# KiCad board EOutside.kicad_pcb (continued)
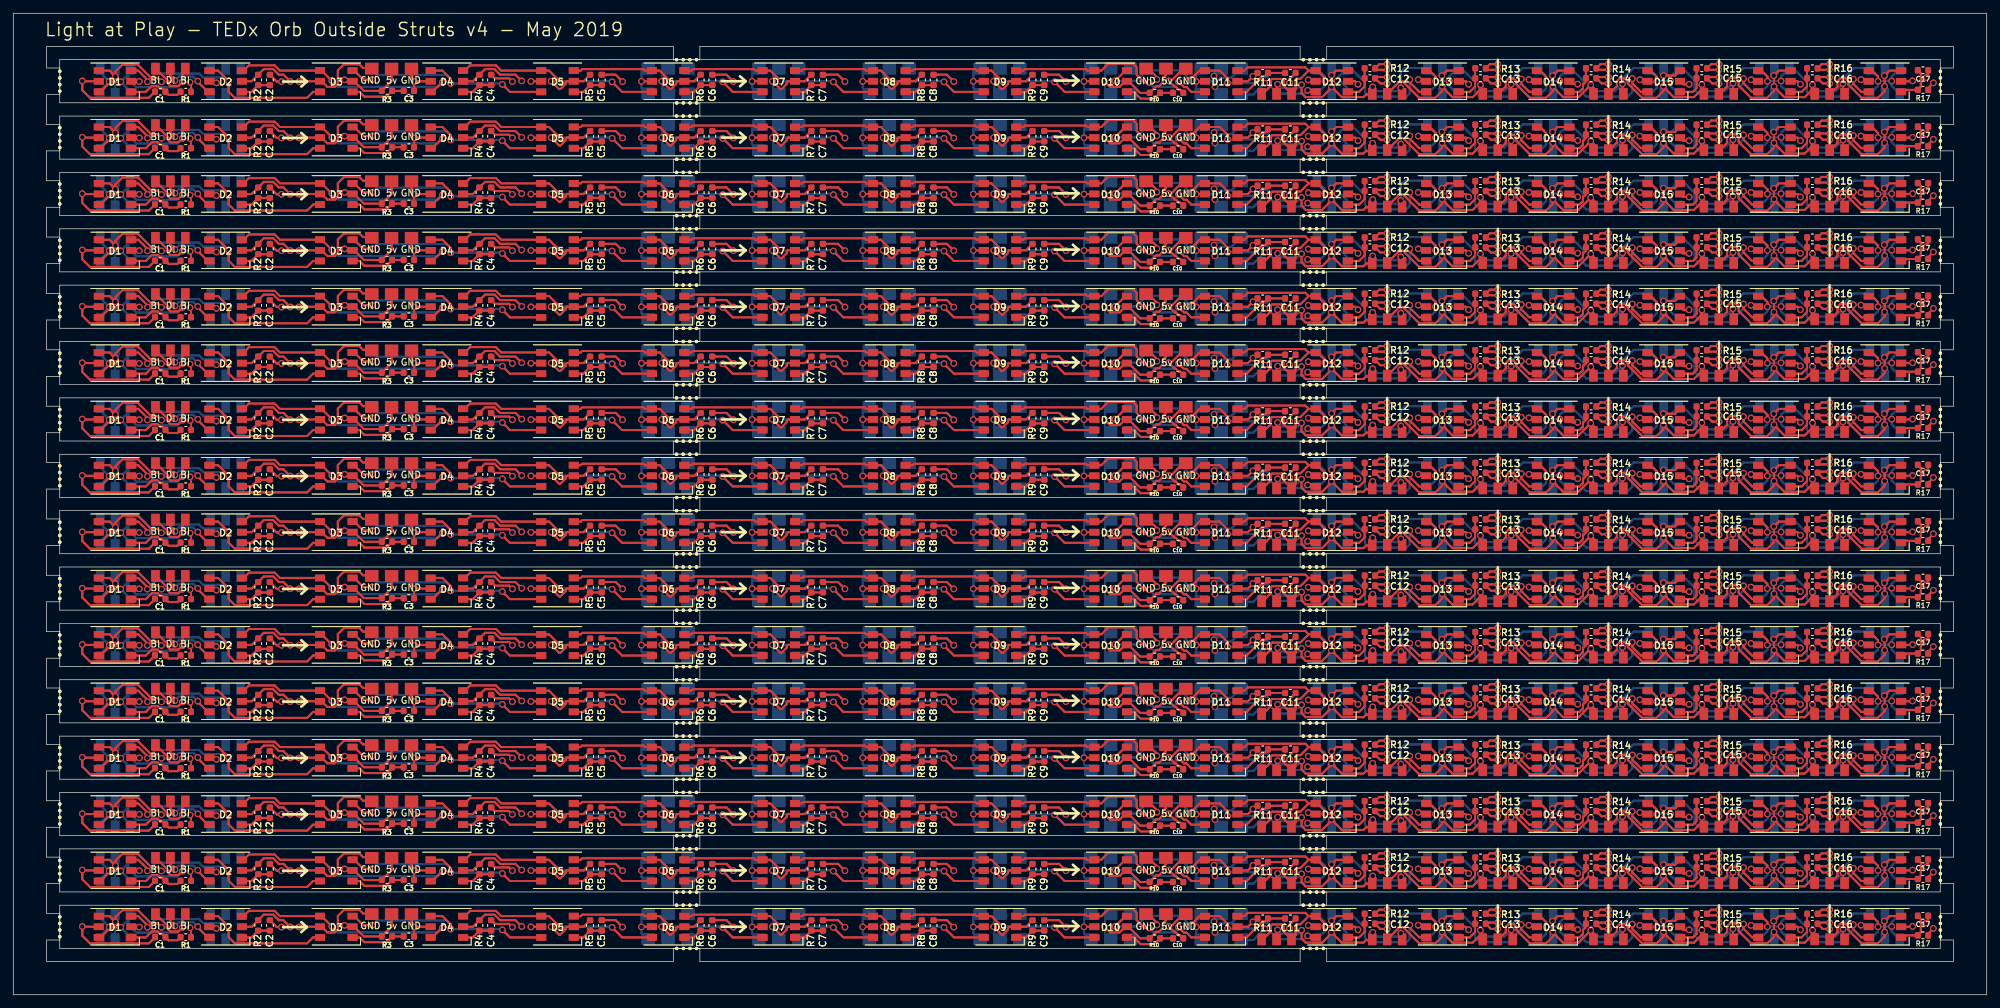
[diagram p0: board, top side]
## Placement (name value [footprint] x y rotation side) (continued)
J6#119  PWR_BRIDGE  [TEDX_PWR_BRIDGE]  132 117.5 0 bottom
J6#120  PWR_BRIDGE  [TEDX_PWR_BRIDGE]  132 124 180 bottom
J6#121  PWR_BRIDGE  [TEDX_PWR_BRIDGE]  98.67 117.55 0 bottom
J6#122  PWR_BRIDGE  [TEDX_PWR_BRIDGE]  182 117.5 0 bottom
J6#123  PWR_BRIDGE  [TEDX_PWR_BRIDGE]  182 124 180 bottom
J6#124  PWR_BRIDGE  [TEDX_PWR_BRIDGE]  165.33 124 180 bottom
J6#125  PWR_BRIDGE  [TEDX_PWR_BRIDGE]  182 115.5 180 bottom
J6#126  PWR_BRIDGE  [TEDX_PWR_BRIDGE]  165.33 115.5 180 bottom
J6#127  PWR_BRIDGE  [TEDX_PWR_BRIDGE]  98.67 115.5 180 bottom
J6#128  PWR_BRIDGE  [TEDX_PWR_BRIDGE]  182 109 0 bottom
J6#129  PWR_BRIDGE  [TEDX_PWR_BRIDGE]  115.33 109 0 bottom
J6#130  PWR_BRIDGE  [TEDX_PWR_BRIDGE]  115.33 115.5 180 bottom
J6#131  PWR_BRIDGE  [TEDX_PWR_BRIDGE]  98.67 141 180 bottom
J6#132  PWR_BRIDGE  [TEDX_PWR_BRIDGE]  115.33 134.5 0 bottom
J6#133  PWR_BRIDGE  [TEDX_PWR_BRIDGE]  115.33 141 180 bottom
J6#134  PWR_BRIDGE  [TEDX_PWR_BRIDGE]  165.33 134.5 0 bottom
J6#135  PWR_BRIDGE  [TEDX_PWR_BRIDGE]  148.67 141 180 bottom
J6#136  PWR_BRIDGE  [TEDX_PWR_BRIDGE]  148.67 134.5 0 bottom
J6#137  PWR_BRIDGE  [TEDX_PWR_BRIDGE]  132 134.5 0 bottom
J6#138  PWR_BRIDGE  [TEDX_PWR_BRIDGE]  132 141 180 bottom
J6#139  PWR_BRIDGE  [TEDX_PWR_BRIDGE]  98.67 134.55 0 bottom
J6#140  PWR_BRIDGE  [TEDX_PWR_BRIDGE]  182 134.5 0 bottom
J6#141  PWR_BRIDGE  [TEDX_PWR_BRIDGE]  182 141 180 bottom
J6#142  PWR_BRIDGE  [TEDX_PWR_BRIDGE]  165.33 141 180 bottom
J6#143  PWR_BRIDGE  [TEDX_PWR_BRIDGE]  182 132.5 180 bottom
J6#144  PWR_BRIDGE  [TEDX_PWR_BRIDGE]  165.33 132.5 180 bottom
J6#145  PWR_BRIDGE  [TEDX_PWR_BRIDGE]  98.67 132.5 180 bottom
J6#146  PWR_BRIDGE  [TEDX_PWR_BRIDGE]  182 126 0 bottom
J6#147  PWR_BRIDGE  [TEDX_PWR_BRIDGE]  115.33 126 0 bottom
J6#148  PWR_BRIDGE  [TEDX_PWR_BRIDGE]  115.33 132.5 180 bottom
J6#149  PWR_BRIDGE  [TEDX_PWR_BRIDGE]  165.33 126 0 bottom
J6#150  PWR_BRIDGE  [TEDX_PWR_BRIDGE]  148.67 132.5 180 bottom
J6#151  PWR_BRIDGE  [TEDX_PWR_BRIDGE]  148.67 126 0 bottom
J6#152  PWR_BRIDGE  [TEDX_PWR_BRIDGE]  132 126 0 bottom
J6#153  PWR_BRIDGE  [TEDX_PWR_BRIDGE]  132 132.5 180 bottom
J6#154  PWR_BRIDGE  [TEDX_PWR_BRIDGE]  98.67 126.05 0 bottom
J6#155  PWR_BRIDGE  [TEDX_PWR_BRIDGE]  98.67 109.05 0 bottom
J6#156  PWR_BRIDGE  [TEDX_PWR_BRIDGE]  165.33 109 0 bottom
J6#157  PWR_BRIDGE  [TEDX_PWR_BRIDGE]  148.67 115.5 180 bottom
J6#158  PWR_BRIDGE  [TEDX_PWR_BRIDGE]  148.67 109 0 bottom
J6#159  PWR_BRIDGE  [TEDX_PWR_BRIDGE]  132 109 0 bottom
J6#160  PWR_BRIDGE  [TEDX_PWR_BRIDGE]  132 115.5 180 bottom
J6#161  PWR_BRIDGE  [TEDX_PWR_BRIDGE]  98.67 90 180 bottom
J6#162  PWR_BRIDGE  [TEDX_PWR_BRIDGE]  115.33 83.5 0 bottom
J6#163  PWR_BRIDGE  [TEDX_PWR_BRIDGE]  115.33 90 180 bottom
J6#164  PWR_BRIDGE  [TEDX_PWR_BRIDGE]  165.33 83.5 0 bottom
J6#165  PWR_BRIDGE  [TEDX_PWR_BRIDGE]  148.67 90 180 bottom
J6#166  PWR_BRIDGE  [TEDX_PWR_BRIDGE]  148.67 83.5 0 bottom
J6#167  PWR_BRIDGE  [TEDX_PWR_BRIDGE]  132 83.5 0 bottom
J6#168  PWR_BRIDGE  [TEDX_PWR_BRIDGE]  132 90 180 bottom
J6#169  PWR_BRIDGE  [TEDX_PWR_BRIDGE]  98.67 83.55 0 bottom
J6#170  PWR_BRIDGE  [TEDX_PWR_BRIDGE]  182 83.5 0 bottom
J6#171  PWR_BRIDGE  [TEDX_PWR_BRIDGE]  182 90 180 bottom
J6#172  PWR_BRIDGE  [TEDX_PWR_BRIDGE]  165.33 90 180 bottom
J6#173  PWR_BRIDGE  [TEDX_PWR_BRIDGE]  182 81.5 180 bottom
J6#174  PWR_BRIDGE  [TEDX_PWR_BRIDGE]  165.33 81.5 180 bottom
J6#175  PWR_BRIDGE  [TEDX_PWR_BRIDGE]  98.67 81.5 180 bottom
J6#176  PWR_BRIDGE  [TEDX_PWR_BRIDGE]  182 75 0 bottom
J6#177  PWR_BRIDGE  [TEDX_PWR_BRIDGE]  115.33 75 0 bottom
J6#178  PWR_BRIDGE  [TEDX_PWR_BRIDGE]  115.33 81.5 180 bottom
J6#179  PWR_BRIDGE  [TEDX_PWR_BRIDGE]  98.67 107 180 bottom
J6#180  PWR_BRIDGE  [TEDX_PWR_BRIDGE]  115.33 100.5 0 bottom
J6#181  PWR_BRIDGE  [TEDX_PWR_BRIDGE]  115.33 107 180 bottom
J6#182  PWR_BRIDGE  [TEDX_PWR_BRIDGE]  165.33 100.5 0 bottom
J6#183  PWR_BRIDGE  [TEDX_PWR_BRIDGE]  148.67 107 180 bottom
J6#184  PWR_BRIDGE  [TEDX_PWR_BRIDGE]  148.67 100.5 0 bottom
J6#185  PWR_BRIDGE  [TEDX_PWR_BRIDGE]  132 100.5 0 bottom
J6#186  PWR_BRIDGE  [TEDX_PWR_BRIDGE]  132 107 180 bottom
J6#187  PWR_BRIDGE  [TEDX_PWR_BRIDGE]  98.67 100.55 0 bottom
J6#188  PWR_BRIDGE  [TEDX_PWR_BRIDGE]  182 100.5 0 bottom
J6#189  PWR_BRIDGE  [TEDX_PWR_BRIDGE]  182 107 180 bottom
J6#190  PWR_BRIDGE  [TEDX_PWR_BRIDGE]  165.33 107 180 bottom
J6#191  PWR_BRIDGE  [TEDX_PWR_BRIDGE]  182 81.5 180 bottom
J6#192  PWR_BRIDGE  [TEDX_PWR_BRIDGE]  165.33 81.5 180 bottom
J6#193  PWR_BRIDGE  [TEDX_PWR_BRIDGE]  98.67 81.5 180 bottom
J6#194  PWR_BRIDGE  [TEDX_PWR_BRIDGE]  98.67 107 180 bottom
J6#195  PWR_BRIDGE  [TEDX_PWR_BRIDGE]  115.33 100.5 0 bottom
J6#196  PWR_BRIDGE  [TEDX_PWR_BRIDGE]  115.33 107 180 bottom
J6#197  PWR_BRIDGE  [TEDX_PWR_BRIDGE]  98.67 90 180 bottom
J6#198  PWR_BRIDGE  [TEDX_PWR_BRIDGE]  182 98.5 180 bottom
J6#199  PWR_BRIDGE  [TEDX_PWR_BRIDGE]  165.33 98.5 180 bottom
J6#200  PWR_BRIDGE  [TEDX_PWR_BRIDGE]  98.67 98.5 180 bottom
J6#201  PWR_BRIDGE  [TEDX_PWR_BRIDGE]  182 92 0 bottom
J6#202  PWR_BRIDGE  [TEDX_PWR_BRIDGE]  115.33 92 0 bottom
J6#203  PWR_BRIDGE  [TEDX_PWR_BRIDGE]  115.33 98.5 180 bottom
J6#204  PWR_BRIDGE  [TEDX_PWR_BRIDGE]  165.33 92 0 bottom
J6#205  PWR_BRIDGE  [TEDX_PWR_BRIDGE]  148.67 98.5 180 bottom
J6#206  PWR_BRIDGE  [TEDX_PWR_BRIDGE]  148.67 92 0 bottom
J6#207  PWR_BRIDGE  [TEDX_PWR_BRIDGE]  132 92 0 bottom
J6#208  PWR_BRIDGE  [TEDX_PWR_BRIDGE]  132 98.5 180 bottom
J6#209  PWR_BRIDGE  [TEDX_PWR_BRIDGE]  98.67 92.05 0 bottom
J6#210  PWR_BRIDGE  [TEDX_PWR_BRIDGE]  98.67 75.05 0 bottom
J6#211  PWR_BRIDGE  [TEDX_PWR_BRIDGE]  165.33 75 0 bottom
J6#212  PWR_BRIDGE  [TEDX_PWR_BRIDGE]  148.67 81.5 180 bottom
J6#213  PWR_BRIDGE  [TEDX_PWR_BRIDGE]  148.67 75 0 bottom
J6#214  PWR_BRIDGE  [TEDX_PWR_BRIDGE]  132 75 0 bottom
J6#215  PWR_BRIDGE  [TEDX_PWR_BRIDGE]  98.67 75.05 0 bottom
J6#216  PWR_BRIDGE  [TEDX_PWR_BRIDGE]  182 92 0 bottom
J6#217  PWR_BRIDGE  [TEDX_PWR_BRIDGE]  115.33 92 0 bottom
J6#218  PWR_BRIDGE  [TEDX_PWR_BRIDGE]  115.33 98.5 180 bottom
J6#219  PWR_BRIDGE  [TEDX_PWR_BRIDGE]  98.67 98.5 180 bottom
J6#220  PWR_BRIDGE  [TEDX_PWR_BRIDGE]  182 98.5 180 bottom
J6#221  PWR_BRIDGE  [TEDX_PWR_BRIDGE]  165.33 98.5 180 bottom
J6#222  PWR_BRIDGE  [TEDX_PWR_BRIDGE]  165.33 100.5 0 bottom
J6#223  PWR_BRIDGE  [TEDX_PWR_BRIDGE]  148.67 107 180 bottom
J6#224  PWR_BRIDGE  [TEDX_PWR_BRIDGE]  148.67 100.5 0 bottom
J6#225  PWR_BRIDGE  [TEDX_PWR_BRIDGE]  132 100.5 0 bottom
J6#226  PWR_BRIDGE  [TEDX_PWR_BRIDGE]  132 107 180 bottom
J6#227  PWR_BRIDGE  [TEDX_PWR_BRIDGE]  98.67 100.55 0 bottom
J6#228  PWR_BRIDGE  [TEDX_PWR_BRIDGE]  148.67 98.5 180 bottom
J6#229  PWR_BRIDGE  [TEDX_PWR_BRIDGE]  148.67 92 0 bottom
J6#230  PWR_BRIDGE  [TEDX_PWR_BRIDGE]  132 92 0 bottom
J6#231  PWR_BRIDGE  [TEDX_PWR_BRIDGE]  132 98.5 180 bottom
J6#232  PWR_BRIDGE  [TEDX_PWR_BRIDGE]  98.67 92.05 0 bottom
J6#233  PWR_BRIDGE  [TEDX_PWR_BRIDGE]  132 81.5 180 bottom
J6#234  PWR_BRIDGE  [TEDX_PWR_BRIDGE]  182 75 0 bottom
J6#235  PWR_BRIDGE  [TEDX_PWR_BRIDGE]  115.33 75 0 bottom
J6#236  PWR_BRIDGE  [TEDX_PWR_BRIDGE]  115.33 81.5 180 bottom
J6#237  PWR_BRIDGE  [TEDX_PWR_BRIDGE]  165.33 92 0 bottom
J6#238  PWR_BRIDGE  [TEDX_PWR_BRIDGE]  132 81.5 180 bottom
J6#239  PWR_BRIDGE  [TEDX_PWR_BRIDGE]  165.33 75 0 bottom
J6#240  PWR_BRIDGE  [TEDX_PWR_BRIDGE]  148.67 81.5 180 bottom
J6#241  PWR_BRIDGE  [TEDX_PWR_BRIDGE]  148.67 75 0 bottom
J6#242  PWR_BRIDGE  [TEDX_PWR_BRIDGE]  132 75 0 bottom
J6#243  PWR_BRIDGE  [TEDX_PWR_BRIDGE]  182 100.5 0 bottom
J6#244  PWR_BRIDGE  [TEDX_PWR_BRIDGE]  182 107 180 bottom
J6#245  PWR_BRIDGE  [TEDX_PWR_BRIDGE]  165.33 107 180 bottom
J6#246  PWR_BRIDGE  [TEDX_PWR_BRIDGE]  115.33 90 180 bottom
J6#247  PWR_BRIDGE  [TEDX_PWR_BRIDGE]  165.33 83.5 0 bottom
J6#248  PWR_BRIDGE  [TEDX_PWR_BRIDGE]  148.67 90 180 bottom
J6#249  PWR_BRIDGE  [TEDX_PWR_BRIDGE]  148.67 83.5 0 bottom
J6#250  PWR_BRIDGE  [TEDX_PWR_BRIDGE]  132 83.5 0 bottom
J6#251  PWR_BRIDGE  [TEDX_PWR_BRIDGE]  132 90 180 bottom
J6#252  PWR_BRIDGE  [TEDX_PWR_BRIDGE]  98.67 83.55 0 bottom
J6#253  PWR_BRIDGE  [TEDX_PWR_BRIDGE]  182 83.5 0 bottom
J6#254  PWR_BRIDGE  [TEDX_PWR_BRIDGE]  182 90 180 bottom
J6#255  PWR_BRIDGE  [TEDX_PWR_BRIDGE]  165.33 90 180 bottom
J6#256  PWR_BRIDGE  [TEDX_PWR_BRIDGE]  115.33 83.5 0 bottom
J6#257  PWR_BRIDGE  [TEDX_PWR_BRIDGE]  165.33 58 0 bottom
J6#258  PWR_BRIDGE  [TEDX_PWR_BRIDGE]  148.67 64.5 180 bottom
J6#259  PWR_BRIDGE  [TEDX_PWR_BRIDGE]  148.67 58 0 bottom
J6#260  PWR_BRIDGE  [TEDX_PWR_BRIDGE]  132 58 0 bottom
J6#261  PWR_BRIDGE  [TEDX_PWR_BRIDGE]  132 64.5 180 bottom
J6#262  PWR_BRIDGE  [TEDX_PWR_BRIDGE]  98.67 58.05 0 bottom
J6#263  PWR_BRIDGE  [TEDX_PWR_BRIDGE]  98.67 41.05 0 bottom
J6#264  PWR_BRIDGE  [TEDX_PWR_BRIDGE]  182 41 0 bottom
J6#265  PWR_BRIDGE  [TEDX_PWR_BRIDGE]  148.67 56 180 bottom
J6#266  PWR_BRIDGE  [TEDX_PWR_BRIDGE]  182 47.5 180 bottom
J6#267  PWR_BRIDGE  [TEDX_PWR_BRIDGE]  165.33 47.5 180 bottom
J6#268  PWR_BRIDGE  [TEDX_PWR_BRIDGE]  98.67 47.5 180 bottom
J6#269  PWR_BRIDGE  [TEDX_PWR_BRIDGE]  98.67 73 180 bottom
J6#270  PWR_BRIDGE  [TEDX_PWR_BRIDGE]  115.33 66.5 0 bottom
J6#271  PWR_BRIDGE  [TEDX_PWR_BRIDGE]  115.33 73 180 bottom
J6#272  PWR_BRIDGE  [TEDX_PWR_BRIDGE]  98.67 56 180 bottom
J6#273  PWR_BRIDGE  [TEDX_PWR_BRIDGE]  182 64.5 180 bottom
J6#274  PWR_BRIDGE  [TEDX_PWR_BRIDGE]  165.33 64.5 180 bottom
J6#275  PWR_BRIDGE  [TEDX_PWR_BRIDGE]  98.67 64.5 180 bottom
J6#276  PWR_BRIDGE  [TEDX_PWR_BRIDGE]  182 58 0 bottom
J6#277  PWR_BRIDGE  [TEDX_PWR_BRIDGE]  115.33 58 0 bottom
J6#278  PWR_BRIDGE  [TEDX_PWR_BRIDGE]  115.33 64.5 180 bottom
J6#279  PWR_BRIDGE  [TEDX_PWR_BRIDGE]  182 47.5 180 bottom
J6#280  PWR_BRIDGE  [TEDX_PWR_BRIDGE]  115.33 73 180 bottom
J6#281  PWR_BRIDGE  [TEDX_PWR_BRIDGE]  98.67 49.55 0 bottom
J6#282  PWR_BRIDGE  [TEDX_PWR_BRIDGE]  132 56 180 bottom
J6#283  PWR_BRIDGE  [TEDX_PWR_BRIDGE]  98.67 56 180 bottom
J6#284  PWR_BRIDGE  [TEDX_PWR_BRIDGE]  115.33 49.5 0 bottom
J6#285  PWR_BRIDGE  [TEDX_PWR_BRIDGE]  115.33 56 180 bottom
J6#286  PWR_BRIDGE  [TEDX_PWR_BRIDGE]  165.33 41 0 bottom
J6#287  PWR_BRIDGE  [TEDX_PWR_BRIDGE]  148.67 47.5 180 bottom
J6#288  PWR_BRIDGE  [TEDX_PWR_BRIDGE]  148.67 41 0 bottom
J6#289  PWR_BRIDGE  [TEDX_PWR_BRIDGE]  132 41 0 bottom
J6#290  PWR_BRIDGE  [TEDX_PWR_BRIDGE]  98.67 41.05 0 bottom
J6#291  PWR_BRIDGE  [TEDX_PWR_BRIDGE]  148.67 58 0 bottom
J6#292  PWR_BRIDGE  [TEDX_PWR_BRIDGE]  132 58 0 bottom
J6#293  PWR_BRIDGE  [TEDX_PWR_BRIDGE]  132 64.5 180 bottom
J6#294  PWR_BRIDGE  [TEDX_PWR_BRIDGE]  115.33 58 0 bottom
J6#295  PWR_BRIDGE  [TEDX_PWR_BRIDGE]  115.33 64.5 180 bottom
J6#296  PWR_BRIDGE  [TEDX_PWR_BRIDGE]  182 64.5 180 bottom
J6#297  PWR_BRIDGE  [TEDX_PWR_BRIDGE]  165.33 64.5 180 bottom
J6#298  PWR_BRIDGE  [TEDX_PWR_BRIDGE]  165.33 66.5 0 bottom
J6#299  PWR_BRIDGE  [TEDX_PWR_BRIDGE]  148.67 73 180 bottom
J6#300  PWR_BRIDGE  [TEDX_PWR_BRIDGE]  148.67 66.5 0 bottom
J6#301  PWR_BRIDGE  [TEDX_PWR_BRIDGE]  132 66.5 0 bottom
J6#302  PWR_BRIDGE  [TEDX_PWR_BRIDGE]  132 73 180 bottom
J6#303  PWR_BRIDGE  [TEDX_PWR_BRIDGE]  98.67 66.55 0 bottom
J6#304  PWR_BRIDGE  [TEDX_PWR_BRIDGE]  148.67 64.5 180 bottom
J6#305  PWR_BRIDGE  [TEDX_PWR_BRIDGE]  182 49.5 0 bottom
J6#306  PWR_BRIDGE  [TEDX_PWR_BRIDGE]  182 56 180 bottom
J6#307  PWR_BRIDGE  [TEDX_PWR_BRIDGE]  165.33 56 180 bottom
J6#308  PWR_BRIDGE  [TEDX_PWR_BRIDGE]  148.67 49.5 0 bottom
J6#309  PWR_BRIDGE  [TEDX_PWR_BRIDGE]  165.33 47.5 180 bottom
J6#310  PWR_BRIDGE  [TEDX_PWR_BRIDGE]  98.67 58.05 0 bottom
J6#311  PWR_BRIDGE  [TEDX_PWR_BRIDGE]  182 73 180 bottom
J6#312  PWR_BRIDGE  [TEDX_PWR_BRIDGE]  165.33 73 180 bottom
J6#313  PWR_BRIDGE  [TEDX_PWR_BRIDGE]  115.33 47.5 180 bottom
J6#314  PWR_BRIDGE  [TEDX_PWR_BRIDGE]  182 66.5 0 bottom
J6#315  PWR_BRIDGE  [TEDX_PWR_BRIDGE]  182 41 0 bottom
J6#316  PWR_BRIDGE  [TEDX_PWR_BRIDGE]  115.33 56 180 bottom
J6#317  PWR_BRIDGE  [TEDX_PWR_BRIDGE]  165.33 58 0 bottom
J6#318  PWR_BRIDGE  [TEDX_PWR_BRIDGE]  98.67 73 180 bottom
J6#319  PWR_BRIDGE  [TEDX_PWR_BRIDGE]  115.33 66.5 0 bottom
J6#320  PWR_BRIDGE  [TEDX_PWR_BRIDGE]  132 47.5 180 bottom
J6#321  PWR_BRIDGE  [TEDX_PWR_BRIDGE]  182 58 0 bottom
J6#322  PWR_BRIDGE  [TEDX_PWR_BRIDGE]  132 49.5 0 bottom
J6#323  PWR_BRIDGE  [TEDX_PWR_BRIDGE]  165.33 49.5 0 bottom
J6#324  PWR_BRIDGE  [TEDX_PWR_BRIDGE]  148.67 56 180 bottom
J6#325  PWR_BRIDGE  [TEDX_PWR_BRIDGE]  148.67 49.5 0 bottom
J6#326  PWR_BRIDGE  [TEDX_PWR_BRIDGE]  132 49.5 0 bottom
J6#327  PWR_BRIDGE  [TEDX_PWR_BRIDGE]  132 56 180 bottom
J6#328  PWR_BRIDGE  [TEDX_PWR_BRIDGE]  98.67 49.55 0 bottom
J6#329  PWR_BRIDGE  [TEDX_PWR_BRIDGE]  182 49.5 0 bottom
J6#330  PWR_BRIDGE  [TEDX_PWR_BRIDGE]  182 56 180 bottom
J6#331  PWR_BRIDGE  [TEDX_PWR_BRIDGE]  165.33 56 180 bottom
J6#332  PWR_BRIDGE  [TEDX_PWR_BRIDGE]  182 66.5 0 bottom
J6#333  PWR_BRIDGE  [TEDX_PWR_BRIDGE]  182 73 180 bottom
J6#334  PWR_BRIDGE  [TEDX_PWR_BRIDGE]  165.33 73 180 bottom
J6#335  PWR_BRIDGE  [TEDX_PWR_BRIDGE]  165.33 41 0 bottom
J6#336  PWR_BRIDGE  [TEDX_PWR_BRIDGE]  148.67 47.5 180 bottom
J6#337  PWR_BRIDGE  [TEDX_PWR_BRIDGE]  148.67 41 0 bottom
J6#338  PWR_BRIDGE  [TEDX_PWR_BRIDGE]  132 41 0 bottom
J6#339  PWR_BRIDGE  [TEDX_PWR_BRIDGE]  115.33 49.5 0 bottom
J6#340  PWR_BRIDGE  [TEDX_PWR_BRIDGE]  115.33 41 0 bottom
J6#341  PWR_BRIDGE  [TEDX_PWR_BRIDGE]  132 47.5 180 bottom
J6#342  PWR_BRIDGE  [TEDX_PWR_BRIDGE]  98.67 64.5 180 bottom
J6#343  PWR_BRIDGE  [TEDX_PWR_BRIDGE]  165.33 49.5 0 bottom
J6#344  PWR_BRIDGE  [TEDX_PWR_BRIDGE]  98.67 47.5 180 bottom
J6#345  PWR_BRIDGE  [TEDX_PWR_BRIDGE]  165.33 66.5 0 bottom
J6#346  PWR_BRIDGE  [TEDX_PWR_BRIDGE]  148.67 73 180 bottom
J6#347  PWR_BRIDGE  [TEDX_PWR_BRIDGE]  148.67 66.5 0 bottom
J6#348  PWR_BRIDGE  [TEDX_PWR_BRIDGE]  132 66.5 0 bottom
J6#349  PWR_BRIDGE  [TEDX_PWR_BRIDGE]  132 73 180 bottom
J6#350  PWR_BRIDGE  [TEDX_PWR_BRIDGE]  98.67 66.55 0 bottom
J6#351  PWR_BRIDGE  [TEDX_PWR_BRIDGE]  115.33 41 0 bottom
J6#352  PWR_BRIDGE  [TEDX_PWR_BRIDGE]  115.33 47.5 180 bottom
J6#353  PWR_BRIDGE  [TEDX_PWR_BRIDGE]  165.33 7 0 bottom
J6#354  PWR_BRIDGE  [TEDX_PWR_BRIDGE]  148.67 13.5 180 bottom
J6#355  PWR_BRIDGE  [TEDX_PWR_BRIDGE]  148.67 7 0 bottom
J6#356  PWR_BRIDGE  [TEDX_PWR_BRIDGE]  132 7 0 bottom
J6#357  PWR_BRIDGE  [TEDX_PWR_BRIDGE]  115.33 15.5 0 bottom
J6#358  PWR_BRIDGE  [TEDX_PWR_BRIDGE]  165.33 24 0 bottom
J6#359  PWR_BRIDGE  [TEDX_PWR_BRIDGE]  165.33 7 0 bottom
J6#360  PWR_BRIDGE  [TEDX_PWR_BRIDGE]  148.67 13.5 180 bottom
J6#361  PWR_BRIDGE  [TEDX_PWR_BRIDGE]  148.67 7 0 bottom
J6#362  PWR_BRIDGE  [TEDX_PWR_BRIDGE]  132 7 0 bottom
J6#363  PWR_BRIDGE  [TEDX_PWR_BRIDGE]  98.67 7.05 0 bottom
J6#364  PWR_BRIDGE  [TEDX_PWR_BRIDGE]  148.67 24 0 bottom
J6#365  PWR_BRIDGE  [TEDX_PWR_BRIDGE]  132 24 0 bottom
J6#366  PWR_BRIDGE  [TEDX_PWR_BRIDGE]  132 30.5 180 bottom
J6#367  PWR_BRIDGE  [TEDX_PWR_BRIDGE]  115.33 24 0 bottom
J6#368  PWR_BRIDGE  [TEDX_PWR_BRIDGE]  115.33 30.5 180 bottom
J6#369  PWR_BRIDGE  [TEDX_PWR_BRIDGE]  182 30.5 180 bottom
J6#370  PWR_BRIDGE  [TEDX_PWR_BRIDGE]  165.33 30.5 180 bottom
J6#371  PWR_BRIDGE  [TEDX_PWR_BRIDGE]  182 13.5 180 bottom
J6#372  PWR_BRIDGE  [TEDX_PWR_BRIDGE]  165.33 13.5 180 bottom
J6#373  PWR_BRIDGE  [TEDX_PWR_BRIDGE]  98.67 13.5 180 bottom
J6#374  PWR_BRIDGE  [TEDX_PWR_BRIDGE]  98.67 39 180 bottom
J6#375  PWR_BRIDGE  [TEDX_PWR_BRIDGE]  115.33 32.5 0 bottom
J6#376  PWR_BRIDGE  [TEDX_PWR_BRIDGE]  115.33 39 180 bottom
J6#377  PWR_BRIDGE  [TEDX_PWR_BRIDGE]  98.67 22 180 bottom
J6#378  PWR_BRIDGE  [TEDX_PWR_BRIDGE]  148.67 30.5 180 bottom
J6#379  PWR_BRIDGE  [TEDX_PWR_BRIDGE]  182 15.5 0 bottom
J6#380  PWR_BRIDGE  [TEDX_PWR_BRIDGE]  182 22 180 bottom
J6#381  PWR_BRIDGE  [TEDX_PWR_BRIDGE]  165.33 22 180 bottom
J6#382  PWR_BRIDGE  [TEDX_PWR_BRIDGE]  148.67 15.5 0 bottom
J6#383  PWR_BRIDGE  [TEDX_PWR_BRIDGE]  165.33 13.5 180 bottom
J6#384  PWR_BRIDGE  [TEDX_PWR_BRIDGE]  98.67 24.05 0 bottom
J6#385  PWR_BRIDGE  [TEDX_PWR_BRIDGE]  182 39 180 bottom
J6#386  PWR_BRIDGE  [TEDX_PWR_BRIDGE]  98.67 13.5 180 bottom
J6#387  PWR_BRIDGE  [TEDX_PWR_BRIDGE]  165.33 32.5 0 bottom
J6#388  PWR_BRIDGE  [TEDX_PWR_BRIDGE]  148.67 39 180 bottom
J6#389  PWR_BRIDGE  [TEDX_PWR_BRIDGE]  148.67 32.5 0 bottom
J6#390  PWR_BRIDGE  [TEDX_PWR_BRIDGE]  132 32.5 0 bottom
J6#391  PWR_BRIDGE  [TEDX_PWR_BRIDGE]  132 39 180 bottom
J6#392  PWR_BRIDGE  [TEDX_PWR_BRIDGE]  98.67 32.55 0 bottom
J6#393  PWR_BRIDGE  [TEDX_PWR_BRIDGE]  115.33 7 0 bottom
J6#394  PWR_BRIDGE  [TEDX_PWR_BRIDGE]  115.33 13.5 180 bottom
J6#395  PWR_BRIDGE  [TEDX_PWR_BRIDGE]  115.33 39 180 bottom
J6#396  PWR_BRIDGE  [TEDX_PWR_BRIDGE]  98.67 15.55 0 bottom
J6#397  PWR_BRIDGE  [TEDX_PWR_BRIDGE]  132 22 180 bottom
J6#398  PWR_BRIDGE  [TEDX_PWR_BRIDGE]  98.67 7.05 0 bottom
J6#399  PWR_BRIDGE  [TEDX_PWR_BRIDGE]  148.67 24 0 bottom
J6#400  PWR_BRIDGE  [TEDX_PWR_BRIDGE]  132 24 0 bottom
J6#401  PWR_BRIDGE  [TEDX_PWR_BRIDGE]  132 30.5 180 bottom
J6#402  PWR_BRIDGE  [TEDX_PWR_BRIDGE]  98.67 24.05 0 bottom
J6#403  PWR_BRIDGE  [TEDX_PWR_BRIDGE]  182 30.5 180 bottom
J6#404  PWR_BRIDGE  [TEDX_PWR_BRIDGE]  165.33 30.5 180 bottom
J6#405  PWR_BRIDGE  [TEDX_PWR_BRIDGE]  115.33 24 0 bottom
J6#406  PWR_BRIDGE  [TEDX_PWR_BRIDGE]  115.33 30.5 180 bottom
J6#407  PWR_BRIDGE  [TEDX_PWR_BRIDGE]  182 13.5 180 bottom
J6#408  PWR_BRIDGE  [TEDX_PWR_BRIDGE]  182 7 0 bottom
J6#409  PWR_BRIDGE  [TEDX_PWR_BRIDGE]  148.67 30.5 180 bottom
J6#410  PWR_BRIDGE  [TEDX_PWR_BRIDGE]  98.67 30.5 180 bottom
J6#411  PWR_BRIDGE  [TEDX_PWR_BRIDGE]  165.33 32.5 0 bottom
J6#412  PWR_BRIDGE  [TEDX_PWR_BRIDGE]  148.67 39 180 bottom
J6#413  PWR_BRIDGE  [TEDX_PWR_BRIDGE]  148.67 32.5 0 bottom
J6#414  PWR_BRIDGE  [TEDX_PWR_BRIDGE]  132 32.5 0 bottom
J6#415  PWR_BRIDGE  [TEDX_PWR_BRIDGE]  132 39 180 bottom
J6#416  PWR_BRIDGE  [TEDX_PWR_BRIDGE]  98.67 32.55 0 bottom
J6#417  PWR_BRIDGE  [TEDX_PWR_BRIDGE]  115.33 15.5 0 bottom
J6#418  PWR_BRIDGE  [TEDX_PWR_BRIDGE]  115.33 22 180 bottom
J6#419  PWR_BRIDGE  [TEDX_PWR_BRIDGE]  98.67 22 180 bottom
J6#420  PWR_BRIDGE  [TEDX_PWR_BRIDGE]  165.33 39 180 bottom
J6#421  PWR_BRIDGE  [TEDX_PWR_BRIDGE]  132 13.5 180 bottom
J6#422  PWR_BRIDGE  [TEDX_PWR_BRIDGE]  148.67 22 180 bottom
J6#423  PWR_BRIDGE  [TEDX_PWR_BRIDGE]  182 24 0 bottom
J6#424  PWR_BRIDGE  [TEDX_PWR_BRIDGE]  115.33 22 180 bottom
J6#425  PWR_BRIDGE  [TEDX_PWR_BRIDGE]  165.33 24 0 bottom
J6#426  PWR_BRIDGE  [TEDX_PWR_BRIDGE]  115.33 7 0 bottom
J6#427  PWR_BRIDGE  [TEDX_PWR_BRIDGE]  132 13.5 180 bottom
J6#428  PWR_BRIDGE  [TEDX_PWR_BRIDGE]  98.67 30.5 180 bottom
J6#429  PWR_BRIDGE  [TEDX_PWR_BRIDGE]  165.33 15.5 0 bottom
J6#430  PWR_BRIDGE  [TEDX_PWR_BRIDGE]  98.67 39 180 bottom
J6#431  PWR_BRIDGE  [TEDX_PWR_BRIDGE]  115.33 32.5 0 bottom
J6#432  PWR_BRIDGE  [TEDX_PWR_BRIDGE]  182 32.5 0 bottom
J6#433  PWR_BRIDGE  [TEDX_PWR_BRIDGE]  182 7 0 bottom
J6#434  PWR_BRIDGE  [TEDX_PWR_BRIDGE]  182 32.5 0 bottom
J6#435  PWR_BRIDGE  [TEDX_PWR_BRIDGE]  182 39 180 bottom
J6#436  PWR_BRIDGE  [TEDX_PWR_BRIDGE]  165.33 39 180 bottom
J6#437  PWR_BRIDGE  [TEDX_PWR_BRIDGE]  165.33 15.5 0 bottom
J6#438  PWR_BRIDGE  [TEDX_PWR_BRIDGE]  148.67 22 180 bottom
J6#439  PWR_BRIDGE  [TEDX_PWR_BRIDGE]  148.67 15.5 0 bottom
J6#440  PWR_BRIDGE  [TEDX_PWR_BRIDGE]  132 15.5 0 bottom
J6#441  PWR_BRIDGE  [TEDX_PWR_BRIDGE]  132 22 180 bottom
J6#442  PWR_BRIDGE  [TEDX_PWR_BRIDGE]  98.67 15.55 0 bottom
J6#443  PWR_BRIDGE  [TEDX_PWR_BRIDGE]  182 15.5 0 bottom
J6#444  PWR_BRIDGE  [TEDX_PWR_BRIDGE]  182 22 180 bottom
J6#445  PWR_BRIDGE  [TEDX_PWR_BRIDGE]  165.33 22 180 bottom
J6#446  PWR_BRIDGE  [TEDX_PWR_BRIDGE]  182 24 0 bottom
J6#447  PWR_BRIDGE  [TEDX_PWR_BRIDGE]  132 15.5 0 bottom
J6#448  PWR_BRIDGE  [TEDX_PWR_BRIDGE]  115.33 13.5 180 bottom
J7  DAT_BRIDGE  [TEDX_DAT_BRIDGE]  23.67 141 0 top
J7#2  DAT_BRIDGE  [TEDX_DAT_BRIDGE]  23.67 132.5 0 top
J7#3  DAT_BRIDGE  [TEDX_DAT_BRIDGE]  23.67 124 0 top
J7#4  DAT_BRIDGE  [TEDX_DAT_BRIDGE]  23.67 115.5 0 top
J7#5  DAT_BRIDGE  [TEDX_DAT_BRIDGE]  23.67 124 0 top
J7#6  DAT_BRIDGE  [TEDX_DAT_BRIDGE]  23.67 115.5 0 top
J7#7  DAT_BRIDGE  [TEDX_DAT_BRIDGE]  23.67 141 0 top
J7#8  DAT_BRIDGE  [TEDX_DAT_BRIDGE]  23.67 132.5 0 top
J7#9  DAT_BRIDGE  [TEDX_DAT_BRIDGE]  23.67 90 0 top
J7#10  DAT_BRIDGE  [TEDX_DAT_BRIDGE]  23.67 81.5 0 top
J7#11  DAT_BRIDGE  [TEDX_DAT_BRIDGE]  23.67 107 0 top
J7#12  DAT_BRIDGE  [TEDX_DAT_BRIDGE]  23.67 107 0 top
J7#13  DAT_BRIDGE  [TEDX_DAT_BRIDGE]  23.67 81.5 0 top
J7#14  DAT_BRIDGE  [TEDX_DAT_BRIDGE]  23.67 98.5 0 top
J7#15  DAT_BRIDGE  [TEDX_DAT_BRIDGE]  23.67 98.5 0 top
J7#16  DAT_BRIDGE  [TEDX_DAT_BRIDGE]  23.67 90 0 top
J7#17  DAT_BRIDGE  [TEDX_DAT_BRIDGE]  23.67 64.5 0 top
J7#18  DAT_BRIDGE  [TEDX_DAT_BRIDGE]  23.67 73 0 top
J7#19  DAT_BRIDGE  [TEDX_DAT_BRIDGE]  23.67 47.5 0 top
J7#20  DAT_BRIDGE  [TEDX_DAT_BRIDGE]  23.67 56 0 top
J7#21  DAT_BRIDGE  [TEDX_DAT_BRIDGE]  23.67 47.5 0 top
J7#22  DAT_BRIDGE  [TEDX_DAT_BRIDGE]  23.67 56 0 top
J7#23  DAT_BRIDGE  [TEDX_DAT_BRIDGE]  23.67 64.5 0 top
J7#24  DAT_BRIDGE  [TEDX_DAT_BRIDGE]  23.67 73 0 top
J7#25  DAT_BRIDGE  [TEDX_DAT_BRIDGE]  23.67 22 0 top
J7#26  DAT_BRIDGE  [TEDX_DAT_BRIDGE]  23.67 39 0 top
J7#27  DAT_BRIDGE  [TEDX_DAT_BRIDGE]  23.67 13.5 0 top
J7#28  DAT_BRIDGE  [TEDX_DAT_BRIDGE]  23.67 22 0 top
J7#29  DAT_BRIDGE  [TEDX_DAT_BRIDGE]  23.67 39 0 top
J7#30  DAT_BRIDGE  [TEDX_DAT_BRIDGE]  23.67 30.5 0 top
J7#31  DAT_BRIDGE  [TEDX_DAT_BRIDGE]  23.67 13.5 0 top
J7#32  DAT_BRIDGE  [TEDX_DAT_BRIDGE]  23.67 30.5 0 top
J7#33  DAT_BRIDGE  [TEDX_DAT_BRIDGE]  15.33 134.5 0 bottom
J7#34  DAT_BRIDGE  [TEDX_DAT_BRIDGE]  15.33 141 180 bottom
J7#35  DAT_BRIDGE  [TEDX_DAT_BRIDGE]  15.33 134.5 0 bottom
J7#36  DAT_BRIDGE  [TEDX_DAT_BRIDGE]  15.33 141 180 bottom
J7#37  DAT_BRIDGE  [TEDX_DAT_BRIDGE]  32 134.5 0 bottom
J7#38  DAT_BRIDGE  [TEDX_DAT_BRIDGE]  32 141 180 bottom
J7#39  DAT_BRIDGE  [TEDX_DAT_BRIDGE]  32 132.5 180 bottom
J7#40  DAT_BRIDGE  [TEDX_DAT_BRIDGE]  32 126 0 bottom
J7#41  DAT_BRIDGE  [TEDX_DAT_BRIDGE]  15.33 132.5 180 bottom
J7#42  DAT_BRIDGE  [TEDX_DAT_BRIDGE]  15.33 126 0 bottom
J7#43  DAT_BRIDGE  [TEDX_DAT_BRIDGE]  15.33 132.5 180 bottom
J7#44  DAT_BRIDGE  [TEDX_DAT_BRIDGE]  15.33 126 0 bottom
J7#45  DAT_BRIDGE  [TEDX_DAT_BRIDGE]  32 124 180 bottom
J7#46  DAT_BRIDGE  [TEDX_DAT_BRIDGE]  32 117.5 0 bottom
J7#47  DAT_BRIDGE  [TEDX_DAT_BRIDGE]  15.33 124 180 bottom
J7#48  DAT_BRIDGE  [TEDX_DAT_BRIDGE]  15.33 117.5 0 bottom
J7#49  DAT_BRIDGE  [TEDX_DAT_BRIDGE]  15.33 124 180 bottom
J7#50  DAT_BRIDGE  [TEDX_DAT_BRIDGE]  32 115.5 180 bottom
J7#51  DAT_BRIDGE  [TEDX_DAT_BRIDGE]  32 109 0 bottom
J7#52  DAT_BRIDGE  [TEDX_DAT_BRIDGE]  15.33 115.5 180 bottom
J7#53  DAT_BRIDGE  [TEDX_DAT_BRIDGE]  15.33 109 0 bottom
J7#54  DAT_BRIDGE  [TEDX_DAT_BRIDGE]  15.33 115.5 180 bottom
J7#55  DAT_BRIDGE  [TEDX_DAT_BRIDGE]  15.33 117.5 0 bottom
J7#56  DAT_BRIDGE  [TEDX_DAT_BRIDGE]  15.33 109 0 bottom
J7#57  DAT_BRIDGE  [TEDX_DAT_BRIDGE]  32 124 180 bottom
J7#58  DAT_BRIDGE  [TEDX_DAT_BRIDGE]  32 117.5 0 bottom
J7#59  DAT_BRIDGE  [TEDX_DAT_BRIDGE]  15.33 124 180 bottom
J7#60  DAT_BRIDGE  [TEDX_DAT_BRIDGE]  15.33 117.5 0 bottom
J7#61  DAT_BRIDGE  [TEDX_DAT_BRIDGE]  15.33 124 180 bottom
J7#62  DAT_BRIDGE  [TEDX_DAT_BRIDGE]  32 115.5 180 bottom
J7#63  DAT_BRIDGE  [TEDX_DAT_BRIDGE]  32 109 0 bottom
J7#64  DAT_BRIDGE  [TEDX_DAT_BRIDGE]  15.33 115.5 180 bottom
J7#65  DAT_BRIDGE  [TEDX_DAT_BRIDGE]  15.33 109 0 bottom
J7#66  DAT_BRIDGE  [TEDX_DAT_BRIDGE]  15.33 115.5 180 bottom
J7#67  DAT_BRIDGE  [TEDX_DAT_BRIDGE]  15.33 117.5 0 bottom
J7#68  DAT_BRIDGE  [TEDX_DAT_BRIDGE]  32 141 180 bottom
J7#69  DAT_BRIDGE  [TEDX_DAT_BRIDGE]  32 134.5 0 bottom
J7#70  DAT_BRIDGE  [TEDX_DAT_BRIDGE]  15.33 141 180 bottom
J7#71  DAT_BRIDGE  [TEDX_DAT_BRIDGE]  15.33 134.5 0 bottom
J7#72  DAT_BRIDGE  [TEDX_DAT_BRIDGE]  15.33 141 180 bottom
J7#73  DAT_BRIDGE  [TEDX_DAT_BRIDGE]  32 132.5 180 bottom
J7#74  DAT_BRIDGE  [TEDX_DAT_BRIDGE]  32 126 0 bottom
J7#75  DAT_BRIDGE  [TEDX_DAT_BRIDGE]  15.33 132.5 180 bottom
J7#76  DAT_BRIDGE  [TEDX_DAT_BRIDGE]  15.33 126 0 bottom
J7#77  DAT_BRIDGE  [TEDX_DAT_BRIDGE]  15.33 132.5 180 bottom
J7#78  DAT_BRIDGE  [TEDX_DAT_BRIDGE]  15.33 109 0 bottom
J7#79  DAT_BRIDGE  [TEDX_DAT_BRIDGE]  15.33 134.5 0 bottom
J7#80  DAT_BRIDGE  [TEDX_DAT_BRIDGE]  15.33 126 0 bottom
J7#81  DAT_BRIDGE  [TEDX_DAT_BRIDGE]  32 90 180 bottom
J7#82  DAT_BRIDGE  [TEDX_DAT_BRIDGE]  32 83.5 0 bottom
J7#83  DAT_BRIDGE  [TEDX_DAT_BRIDGE]  15.33 90 180 bottom
J7#84  DAT_BRIDGE  [TEDX_DAT_BRIDGE]  15.33 83.5 0 bottom
J7#85  DAT_BRIDGE  [TEDX_DAT_BRIDGE]  15.33 90 180 bottom
J7#86  DAT_BRIDGE  [TEDX_DAT_BRIDGE]  32 81.5 180 bottom
J7#87  DAT_BRIDGE  [TEDX_DAT_BRIDGE]  32 75 0 bottom
J7#88  DAT_BRIDGE  [TEDX_DAT_BRIDGE]  15.33 81.5 180 bottom
J7#89  DAT_BRIDGE  [TEDX_DAT_BRIDGE]  15.33 75 0 bottom
J7#90  DAT_BRIDGE  [TEDX_DAT_BRIDGE]  15.33 81.5 180 bottom
J7#91  DAT_BRIDGE  [TEDX_DAT_BRIDGE]  15.33 83.5 0 bottom
J7#92  DAT_BRIDGE  [TEDX_DAT_BRIDGE]  32 107 180 bottom
J7#93  DAT_BRIDGE  [TEDX_DAT_BRIDGE]  32 100.5 0 bottom
J7#94  DAT_BRIDGE  [TEDX_DAT_BRIDGE]  15.33 107 180 bottom
J7#95  DAT_BRIDGE  [TEDX_DAT_BRIDGE]  15.33 100.5 0 bottom
J7#96  DAT_BRIDGE  [TEDX_DAT_BRIDGE]  15.33 107 180 bottom
